# KiCad board Kanagawa_rgb.kicad_pcb (continued)
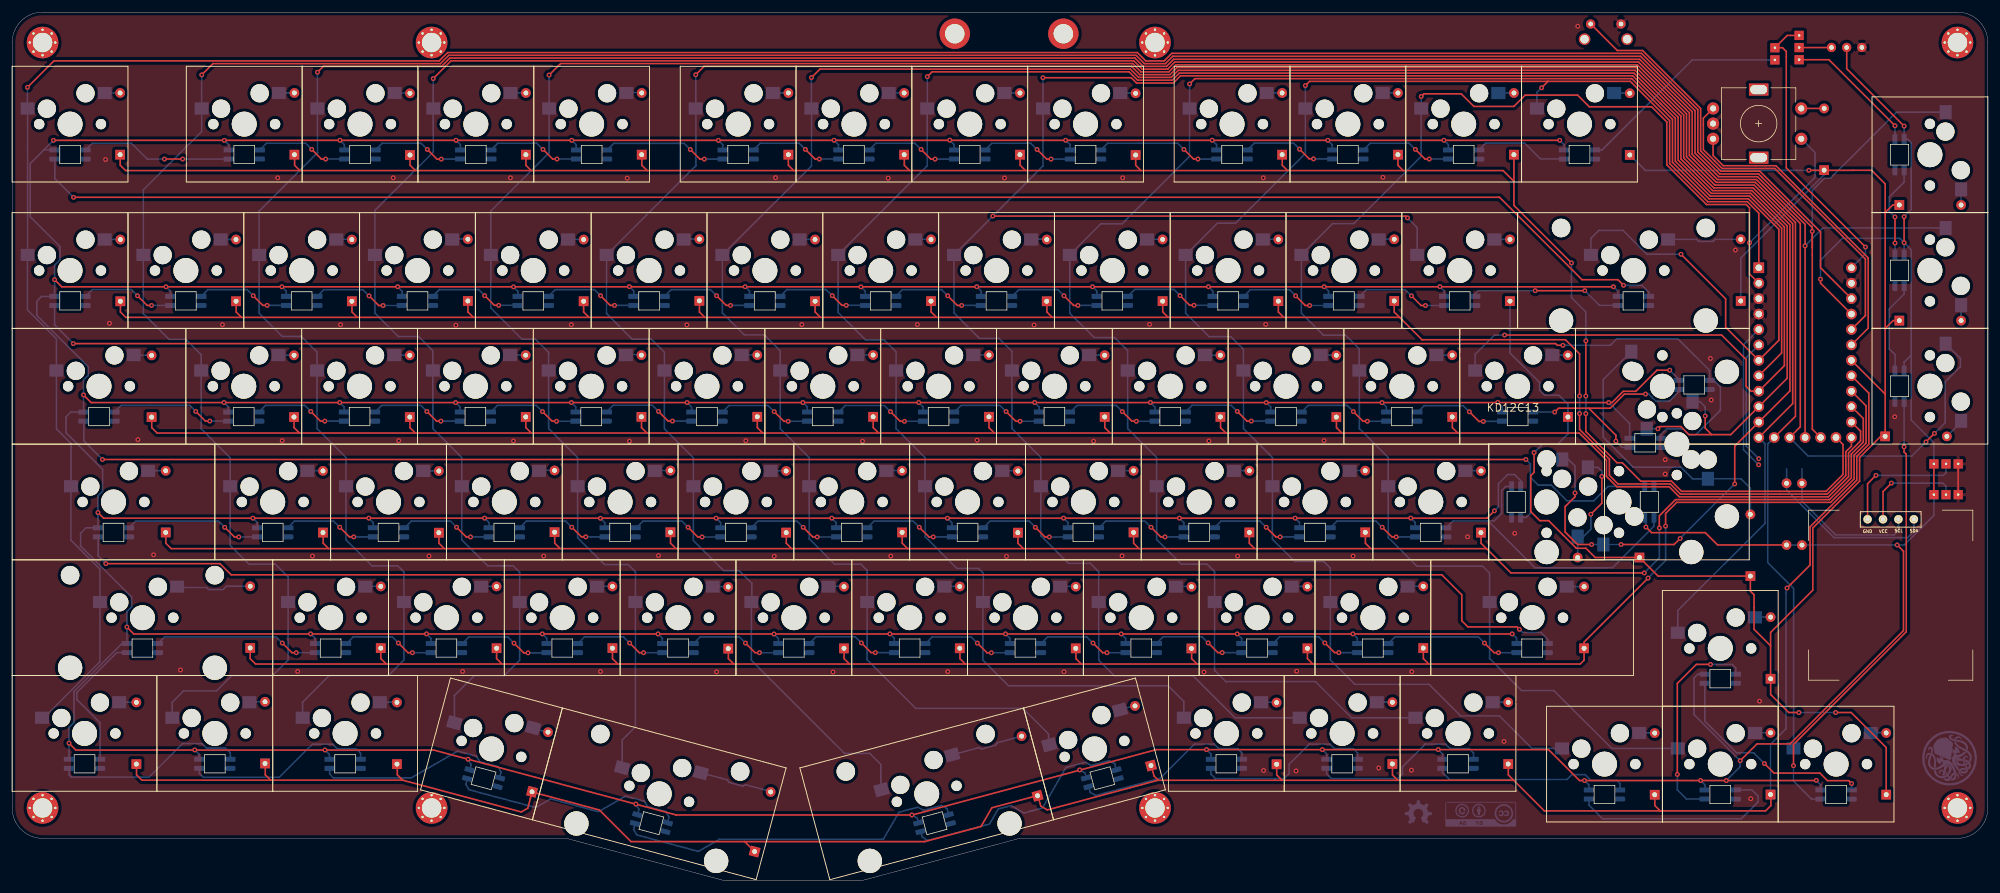
[diagram p0: board, top side]
## Routing (per net, layer and track width the routed paths; a pad name or vN(x,y) marks a point on that pad's centre or on a via; arc(x,y) is an arc through that point) (continued)
col05: length 437.3
  Top w0.254: v1(264.67,55.37) 273.39,55.37 v1(274.38,56.36) ; 287.32,75.52 283.36,71.56 v1(283.36,65.34) ; v1(259.82,55.37) 257.52,55.37 255.45,57.44 255.45,61.59 257.09,63.23 v1(257.09,63.86) ; U0.11 292.44,80.64 292.44,108.01 286.37,114.08 279.91,114.08 274.97,119.02 274.97,126.07 267.16,133.88 191.62,133.88 190.46,132.71 185.5,132.71 184.13,134.08 113.83,134.08 v1(112.45,132.7)
  Bottom w0.254: 112.47,127.15 112.47,117.73 97.79,103.05 ; v1(259.82,55.37) 261.76,55.37 ; 121.67,46.25 121.67,48.99 119.58,51.08 117.02,51.08 112.06,56.04 112.06,69.65 107.3,74.41 KC5.1 ; KB5.1 97.78,93.39 102.01,89.15 105.16,89.15 107.3,87.01 107.3,84.01 ; 142.88,15.46 142.88,19.18 141.08,20.98 136.92,20.98 121.6,36.3 121.6,45.9 ; v1(257.09,63.86) 257.09,68.3 256.02,69.37 KD12C13.1 ; v1(274.38,56.36) v1(283.36,65.34) ; KD12C13.1 v1(264.67,55.37) ; v1(112.45,132.7) 112.45,127.15
col06: length 389.5
  Top w0.254: 279.57,73.46 275.82,73.46 274.5,74.78 271.08,74.78 v1(270.72,74.42) ; 279.57,73.46 282.71,73.46 287.32,78.07 ; 279.57,73.46 278.51,74.52 v1(278.51,76.52) ; v1(131.48,132.23) 132.88,133.63 183.95,133.63 185.31,132.26 190.65,132.26 191.81,133.42 266.97,133.42 274.51,125.89 274.51,118.83 279.71,113.63 286.18,113.63 291.99,107.82 291.99,82.73 U0.10
  Bottom w0.254: 170.48,22.86 170.48,24.19 166.27,28.4 148.63,28.4 140.64,36.39 KE6.1 140.64,51.12 139.64,52.12 135.29,52.12 131.11,56.3 KD6.1 ; 131.12,64.94 131.12,69.67 126.35,74.44 KC6.1 ; KB6.1 116.83,93.47 120.44,89.86 123.72,89.86 126.35,87.24 126.35,84 ; 131.5,127.12 131.5,117.7 116.84,103.05 ; v1(131.48,132.23) 131.48,127.13 ; KD12C13.7 277.65,78.88 278.51,78.02 v1(278.51,76.52) ; KD12C13.7 v1(270.72,74.42)
col07: length 397.3
  Top w0.254: 191.98,132.95 190.83,131.8 185.13,131.8 183.76,133.17 151.33,133.17 v1(150.54,132.38) ; 192,132.97 266.79,132.97 274.05,125.7 274.05,118.64 279.52,113.17 285.99,113.17 291.53,107.63 291.53,84.81 U0.9 286.05,80.6 285.23,81.42 285.23,85.82 281.2,89.85 256.64,89.85 256.64,89.85 v1(245.51,89.85)
  Bottom w0.254: 135.86,103.05 150.53,117.71 KA7.1 ; 150.21,65.16 150.21,56.61 155.39,51.43 158.95,51.43 159.76,50.62 159.76,46.06 ; v1(245.51,89.85) 243.84,89.85 240.65,86.66 KC12.1 ; 135.88,103.05 135.88,93.56 140.39,89.05 143.43,89.05 145.4,87.08 145.4,84 ; v1(150.54,132.38) 150.54,127.15 ; KC7.1 145.4,74.43 150.16,69.67 150.16,64.92 ; 192.74,26.83 192.74,29.53 190.16,32.11 163.91,32.11 159.69,36.33 KE7.1
col08: length 390.6
  Top w0.254: 287.31,83.13 291.08,86.9 291.08,107.44 285.8,112.72 279.32,112.72 273.59,118.45 273.59,125.52 271.16,127.95 271.16,127.95 266.6,132.51 192.18,132.51 191,131.33 184.96,131.33 184.08,132.21 v1(169.57,132.21) ; v1(229.53,109.13) 229.23,109.43 v1(161.32,109.43)
  Bottom w0.254: v1(169.57,132.21) 169.57,127.15 ; v1(229.53,109.13) 231.12,107.54 KB12.1 ; KD8.1 169.21,56.81 173.75,52.27 177.35,52.27 178.74,50.88 KE8.1 178.74,36.33 181.34,33.73 194.28,33.73 201.17,26.85 KF8.1 ; KA8.1 169.57,117.68 154.94,103.05 ; KC8.1 164.45,74.46 169.21,69.7 169.21,64.95 ; KB8.1 154.93,93.5 159.12,89.3 162.33,89.3 164.45,87.18 164.45,83.99
col09: length 334.6
  Top w0.254: 287.3,85.66 290.62,88.99 290.62,107.26 285.62,112.27 279.12,112.27 273.12,118.27 273.12,125.35 266.41,132.06 266.41,132.06 194.57,132.06 v1(193.69,131.18) ; U0.7 281.86,91.14 281.86,95.81 v1(274.52,103.15)
  Bottom w0.254: 183.5,83.99 183.5,87.29 181.36,89.43 178,89.43 173.98,93.45 KB9.1 173.98,103.06 179.08,108.16 182.59,108.16 193.68,119.25 KA9.1 ; 197.79,50.65 KE9.1 197.79,34.65 199.64,32.79 214.4,32.79 220.34,26.85 KF9.1 ; 197.79,50.65 197.79,50.9 196.57,52.12 192.33,52.12 188.26,56.19 KD9.1 ; 197.79,50.65 197.79,50.77 ; KB13.1 259.7,105.75 261.04,107.08 264.97,107.08 268.91,103.15 v1(274.52,103.15) ; 188.26,64.96 188.26,69.69 183.5,74.45 KC9.1 ; v1(193.69,131.18) 193.69,127.16
col10: length 265.5
  Top w0.254: U0.1 287.32,109.92 285.44,111.8 278.92,111.8 272.65,118.07 272.65,125.15 266.19,131.61 252.64,131.61 ; v1(251.59,130.55) 252.64,131.61 252.64,131.61 ; 252.64,131.61 213.43,131.61 v1(212.73,130.91)
  Bottom w0.254: v1(212.73,130.91) 212.73,127.14 ; 193.04,103.05 198.25,108.25 201.24,108.25 212.73,119.73 KA10.1 ; KA12.1 250.82,129.79 v1(251.59,130.55) ; KB10.1 193.03,93.45 196.9,89.58 200.46,89.58 202.55,87.49 202.55,83.99 ; KC10.1 202.55,74.45 207.32,69.68 207.32,64.96 ; KF10.1 250.01,21.8 244.65,27.15 238.28,27.15 233.07,32.36 220.87,32.36 216.84,36.39 KE10.1 216.84,51.49 215.75,52.58 210.97,52.58 207.31,56.24 KD10.1
col11: length 264.7
  Top w0.254: v1(231.79,129.12) 232.23,129.56 238.37,129.56 240.45,127.48 247.03,127.48 248.89,129.34 257.52,129.34 259.43,127.43 269.69,127.43 272.19,124.93 272.19,117.87 278.72,111.34 285.24,111.34 285.79,110.79 v1(285.79,105.03) 285.79,99.91 U0.2
  Bottom w0.254: 221.61,84.35 221.61,74.44 226.36,69.69 226.36,64.93 ; v1(231.79,129.12) 231.79,127.15 ; KA11.1 231.78,119.28 220.68,108.18 217.2,108.18 212.06,103.05 ; 221.6,84 221.6,87.57 219.35,89.81 215.71,89.81 212.07,93.45 KB11.1 ; SW99.S1 296.57,119.88 296.57,115.81 v1(285.79,105.03) ; KD11.1 226.36,56.52 231.09,51.79 241.91,51.79 243.03,50.67 KE11.1 243.03,36.6 248.3,31.33 253.61,31.33 263.14,21.8 KF11.1
ENCA: length 54.1
  Top w0.254: 279.81,127.16 278.2,125.55 278.2,120.36 281.29,117.27 289.95,117.27 304.86,102.36 304.86,93.06 U0.20
ENCB: length 50.7
  Top w0.254: 279.8,122.15 279.8,119.4 281.48,117.72 290.14,117.72 305.31,102.55 305.31,90.98 U0.19
OledPin1: length 21
  Top w0.254: J1.1 305.21,65.37 v1(306.59,66.75)
  Bottom w0.254: 306.6,66.75 317.69,66.75 318.12,67.18 318.12,68.64
OledPin2: length 17.2
  Top w0.254: v1(309.14,65.47) 307.75,64.08 J1.2
  Bottom w0.254: 318.12,63.57 318.12,64.93 317.58,65.47 309,65.47
RESET: length 69.2
  Top w0.254: U0.22 297.48,100.92 297.48,106.83 287.49,116.82 281.1,116.82 277.75,120.17 277.75,127.14 268.2,136.69 264.04,136.69 259.68,141.05
RGB_In: length 48.9
  Top w0.254: v1(304.87,104.34) 291.84,117.37 291.84,136.53 291.22,137.15 289.97,137.15 ; J7.2 292,139.17 J6.1
  Bottom w0.254: v1(304.87,104.34) 304.87,103.23 U0.24
RGB_Matrix: length 35.7
  Bottom w0.254: KA12.6 261.55,120.32 276.37,135.14 J7.1
RGB_Out: length 22.5
  Top w0.254: J6.3 298.86,135.17 v1(309.73,124.3)
  Bottom w0.254: v1(309.73,124.3) 309.72,124.29 KD13.4
RGB_Pin: length 5.3
  Top w0.254: J6.2 299.29,137.17
row00: length 366.5
  Top w0.254: 65.46,119.54 65.46,117.79 66.33,116.92 ; v1(258.87,76.91) 258.87,73.96 264,68.83 264.87,68.83 267.92,65.78 272.96,65.78 274.62,64.12 298.39,64.12 301.18,66.91 301.18,71.82 U0.29 ; 184.82,119.54 184.82,117.79 185.69,116.92 ; 228.83,116.92 18.66,116.92 17.78,117.8 17.78,119.55 ; 228.83,116.92 245.26,116.92 247.04,115.14 ; 228.83,116.92 227.96,117.79 DA10.1 ; 208.93,119.54 208.93,117.79 209.8,116.92 ; v1(258.87,88.9) v1(258.87,79.8) ; DA5.1 127.69,117.79 128.56,116.92 ; 104.45,116.92 103.58,117.79 103.58,119.54 ; 247.04,115.14 247.04,111.19 v1(256.51,101.72) ; 247.04,115.14 DA11.1 ; 166.68,116.93 165.81,117.8 165.81,119.55 ; 147.63,116.92 146.76,117.79 146.76,119.54 ; DA3.1 84.51,117.79 85.38,116.92 ; 46.46,119.54 46.46,117.79 47.33,116.92
  Bottom w0.254: v1(256.51,101.72) 256.51,96.01 258.87,93.65 v1(258.87,88.9) ; v1(258.87,76.91) v1(258.87,79.8)
row01: length 347.8
  Top w0.254: 37.73,92.76 36.85,93.64 36.85,95.39 ; 228.24,92.75 227.35,93.64 DB11.1 ; 228.24,92.75 228.23,92.76 18.69,92.76 17.81,93.64 17.81,95.39 ; 228.24,92.75 231.91,89.08 255.51,89.08 257.84,86.75 v1(257.84,79.81) ; 113.94,92.76 113.06,93.64 113.06,95.39 ; 55.9,95.39 55.9,93.64 56.78,92.76 ; 209.17,92.76 208.29,93.64 208.29,95.39 ; 132.97,92.76 132.09,93.64 132.09,95.39 ; 171.09,92.76 170.21,93.64 170.21,95.39 ; 189.27,95.4 189.27,93.65 190.15,92.77 ; 94.88,92.77 94,93.65 94,95.4 ; U0.13 302.56,71.56 301.63,70.63 301.63,66.72 298.58,63.67 274.43,63.67 272.77,65.33 264.16,65.33 262.75,66.74 262.75,69.4 257.84,74.31 v1(257.84,76.92) ; 152.05,92.77 151.17,93.65 151.17,95.4 ; 74.97,95.4 74.97,93.65 75.85,92.77
  Bottom w0.254: v1(257.84,76.92) v1(257.84,79.81)
row02: length 331.9
  Top w0.254: 85.38,73.73 84.5,74.61 84.5,76.36 ; 198.78,76.35 198.78,74.6 199.66,73.72 ; 123.46,73.73 122.58,74.61 122.58,76.36 ; 22.96,76.35 22.96,74.6 23.84,73.72 257.79,73.72 262.26,69.25 262.26,66.59 263.98,64.87 272.59,64.87 274.25,63.21 298.77,63.21 302.09,66.53 302.09,70.45 304.06,72.42 304.06,74.02 U0.14 ; 236.91,76.35 236.91,74.6 237.79,73.72 ; 141.64,76.36 141.64,74.61 142.52,73.73 ; 160.69,76.35 160.69,74.6 161.57,73.72 ; 104.41,73.72 103.53,74.6 103.53,76.35 ; 217.85,76.35 217.85,74.6 218.73,73.72 ; 180.62,73.72 179.74,74.6 179.74,76.35 ; 66.32,73.72 65.44,74.6 65.44,76.35 ; 46.37,76.35 46.37,74.6 47.25,73.72
row03: length 337.8
  Top w0.254: U0.15 304.51,76.11 304.51,72.23 302.54,70.26 302.54,66.35 298.95,62.76 273.63,62.76 270.96,60.09 v1(270.96,58.09) ; 128.22,54.69 127.34,55.57 127.34,57.32 ; 241.63,57.32 241.63,55.57 242.51,54.69 ; 165.45,57.33 165.45,55.58 166.33,54.7 ; 204.39,54.69 203.51,55.57 203.51,57.32 ; 108.3,57.33 108.3,55.58 109.18,54.7 ; 146.41,57.33 146.41,55.58 147.29,54.7 ; 70.21,57.32 70.21,55.57 71.09,54.69 ; 90.13,54.71 89.25,55.59 89.25,57.34 ; v1(268.48,50.69) 246.54,50.69 242.54,54.69 26.16,54.69 25.28,55.57 25.28,57.32 ; 185.36,54.69 184.48,55.57 184.48,57.32 ; 222.61,57.32 222.61,55.57 223.49,54.69 ; 51.16,57.33 51.16,55.58 52.04,54.7
  Bottom w0.254: v1(270.96,58.09) 270.96,53.17 268.49,50.7
row04: length 331.1
  Top w0.254: 79.69,38.33 79.69,36.58 80.57,35.7 ; v1(271.99,58.39) 271.99,60.48 273.82,62.31 299.14,62.31 302.99,66.16 302.99,70.07 304.97,72.04 304.97,78.19 U0.16 ; 99.63,35.69 98.75,36.57 98.75,38.32 ; 213.07,38.33 213.07,36.58 213.95,35.7 ; v1(269.11,49.84) 258.58,39.31 DE11.1 258.58,36.32 257.95,35.69 40.04,35.69 39.16,36.57 39.16,38.32 ; 155.91,38.32 155.91,36.57 156.79,35.69 ; 118.7,35.7 117.82,36.58 117.82,38.33 ; 137.74,35.69 136.86,36.57 136.86,38.32 ; 232.14,38.33 232.14,36.58 233.02,35.7 ; 61.53,35.7 60.65,36.58 60.65,38.33 ; 194.02,38.33 194.02,36.58 194.9,35.7 ; 174.99,38.33 174.99,36.58 175.87,35.7
  Bottom w0.254: v1(271.99,58.39) 271.99,52.72 v1(269.11,49.84)
row05: length 385.1
  Top w0.254: 120.5,6.46 101.8,6.46 96.6,11.66 ; 120.5,6.46 150.09,6.46 159.38,8.95 161.16,12.02 ; 120.5,6.46 DF4.1 ; v1(291.96,48.2) 295.76,52 295.76,58.28 303.45,65.97 303.45,69.88 305.42,71.86 305.42,80.28 U0.17 ; 227.94,16.55 227.06,17.43 227.06,19.18 ; 64.24,16.58 63.36,17.46 63.36,19.21 ; 208.9,16.55 208.02,17.43 208.02,19.18 ; 208.9,16.55 246.97,16.55 ; 208.9,16.55 188.54,16.55 187.84,17.25 187.39,18.94 ; 84.82,11.96 83.74,11.34 ; 85.21,13.42 85.53,14.62 ; 271.1,11.52 288.44,11.52 289.32,12.4 289.32,14.15 ; 271.1,11.52 270.22,12.4 270.22,14.15 ; 271.1,11.52 252.04,11.52 246.12,17.44 246.12,19.19 ; 84.82,11.96 85.27,13.65 ; 188.55,16.57 170.28,11.68 ; 64.23,16.57 83.76,11.34 ; 161.16,12.03 168.72,14.05 ; 41.64,19.2 41.64,17.45 42.52,16.57 ; 64.24,16.57 21.34,16.57 20.46,17.45 20.46,19.2 ; 168.75,13.99 169.2,12.3 170.28,11.68 ; 85.53,14.63 96.6,11.67
  Bottom w0.254: v1(291.96,48.2) 291.8,48.04 291.8,25.03 289.25,22.49 DF11.1
row06: length 304.1
  Top w0.254: 308.11,110.01 309.36,111.26 310.45,111.26 ; 308.11,110.01 308.11,114.73 305.87,116.97 302.79,116.97 ; 308.11,110.01 308.11,90.92 ; DE12.1 289.26,38.69 ; 289.26,38.69 286.54,41.41 286.54,47.09 285.94,47.69 DC13.1 270.75,50.17 267.68,53.24 ; 289.26,38.69 289.26,40.9 296.21,47.85 296.21,58.09 303.9,65.78 303.9,69.69 307.38,73.17 DF13.1 ; v1(295.56,116.96) 298.08,116.96 ; DF12.1 308.28,21.95 302.52,27.71 v1(299.97,27.71) ; 310.45,92.22 309.41,92.22 308.11,90.92 ; 308.11,90.92 308.11,73.18 ; U0.18 308.11,80.13 ; v1(250.36,70.5) 250.36,67.25 249.81,66.7 249.81,60.78 251.3,59.29 252.76,59.29 257.31,54.74 258.9,54.74 260.41,53.23 DD12.1 ; 289.27,33.27 289.27,30.68 292.24,27.71 v1(293.91,27.71) ; 302.79,116.96 298.79,116.96
  Bottom w0.254: v1(295.56,116.96) 268.64,116.96 266.1,119.5 ; 298.07,117 298.07,116.24 284.35,102.52 DB13.1 ; DB12.1 246.39,86.91 251.26,82.04 251.26,80.77 252.09,79.94 254.45,79.94 255.92,78.47 DC12.1 255.92,73.56 254.28,71.92 251.78,71.92 v1(250.36,70.5) ; v1(293.91,27.71) v1(299.97,27.71)
SCL: length 46.1
  Bottom w0.254: v1(287.32,69.49) 285.26,71.55 285.26,86.16 U0.6 ; 310.3,59.52 310.3,57.67 309.58,56.95 299.97,56.95 294.42,62.5 R2.1 294.42,67.83
SDA: length 54.5
  Bottom w0.254: U0.5 284.8,88.25 284.8,70.98 287.29,68.49 v1(287.3,68.49) ; 291.89,67.84 R1.1 291.89,64.32 299.71,56.5 311.81,56.5 312.83,57.52 J1.4
Net-(DA0-Pad2): length 3
  Bottom w0.254: 14.81,129.69 17.8,129.69
Net-(DA1-Pad2): length 3
  Bottom w0.254: 43.96,129.71 46.95,129.71
Net-(DA2-Pad2): length 3
  Bottom w0.254: 63.01,129.68 66,129.68
Net-(DA3-Pad2): length 3
  Bottom w0.254: 82.01,129.71 85,129.71
Net-(DA4-Pad2): length 3
  Bottom w0.254: 101.04,129.77 104.03,129.77
Net-(DA5-Pad2): length 3
  Bottom w0.254: 124.85,129.7 127.84,129.7
Net-(DA6-Pad2): length 3
  Bottom w0.254: 143.86,129.72 146.85,129.72
Net-(DA7-Pad2): length 3
  Bottom w0.254: 162.91,129.72 165.9,129.72
Net-(DA8-Pad2): length 3
  Bottom w0.254: 182.06,129.66 185.05,129.66
Net-(DA9-Pad2): length 3
  Bottom w0.254: 205.84,129.7 208.83,129.7
Net-(DA10-Pad2): length 3
  Bottom w0.254: 224.74,129.72 227.73,129.72
Net-(DA11-Pad2): length 3
  Bottom w0.254: 243.92,129.72 246.91,129.72
Net-(DA12-Pad2): length 3
  Bottom w0.254: 263,129.66 265.99,129.66
Net-(DB0-Pad2): length 2.6
  Bottom w0.254: KB0.2 17.78,105.59
Net-(DB1-Pad2): length 3
  Bottom w0.254: 34.1,105.58 37.09,105.58
Net-(DB2-Pad2): length 3
  Bottom w0.254: 53.24,105.61 56.23,105.61
Net-(DB3-Pad2): length 3
  Bottom w0.254: 72.27,105.68 75.26,105.68
Net-(DB4-Pad2): length 3
  Bottom w0.254: 91.31,105.59 94.3,105.59
Net-(DB5-Pad2): length 3
  Bottom w0.254: 110.37,105.66 113.36,105.66
Net-(DB6-Pad2): length 3
  Bottom w0.254: 129.41,105.61 132.4,105.61
Net-(DB7-Pad2): length 3
  Bottom w0.254: 148.52,105.61 151.51,105.61
Net-(DB8-Pad2): length 3
  Bottom w0.254: 167.49,105.63 170.48,105.63
Net-(DB9-Pad2): length 3
  Bottom w0.254: 186.6,105.61 189.59,105.61
Net-(DB10-Pad2): length 3
  Bottom w0.254: 205.66,105.61 208.65,105.61
Net-(DB11-Pad2): length 3
  Bottom w0.254: 224.66,105.64 227.65,105.64
Net-(DB12-Pad2): length 3
  Bottom w0.254: 243.79,105.59 246.78,105.59
Net-(DB13-Pad2): length 12.1
  Bottom w0.254: 272.41,105.61 277.08,105.61 277.42,105.27 279.82,105.27 280.16,105.61 284.22,105.61
Net-(DC0-Pad2): length 3
  Bottom w0.254: 19.93,86.52 22.92,86.52
Net-(DC1-Pad2): length 3
  Bottom w0.254: 43.68,86.54 46.67,86.54
Net-(DC2-Pad2): length 3
  Bottom w0.254: 62.7,86.53 65.69,86.53
Net-(DC3-Pad2): length 3
  Bottom w0.254: 81.86,86.56 84.85,86.56
Net-(DC4-Pad2): length 3
  Bottom w0.254: 101.01,86.64 104,86.64
Net-(DC5-Pad2): length 3
  Bottom w0.254: 120.05,86.57 123.04,86.57
Net-(DC6-Pad2): length 3
  Bottom w0.254: 139.08,86.57 142.07,86.57
Net-(DC7-Pad2): length 3
  Bottom w0.254: 158,86.57 160.99,86.57
Net-(DC8-Pad2): length 3
  Bottom w0.254: 177.05,86.54 180.04,86.54
Net-(DC9-Pad2): length 3
  Bottom w0.254: 196.14,86.52 199.13,86.52
Net-(DC10-Pad2): length 3
  Bottom w0.254: 215.18,86.55 218.17,86.55
Net-(DC11-Pad2): length 3
  Bottom w0.254: 234.25,86.54 237.24,86.54
Net-(DC12-Pad2): length 3
  Bottom w0.254: 253.29,86.54 256.28,86.54
Net-(DC13-Pad2): length 48
  Bottom w0.254: 278.96,66.18 276.42,66.18 274.5,68.1 266.65,68.1 261.74,73.01 261.74,82.52 KD12C13.8 ; DC13.2 285.94,64.64 284.4,66.18 KD12C13.8
Net-(DD0-Pad2): length 3
  Bottom w0.254: 22.26,67.52 25.25,67.52
Net-(DD1-Pad2): length 3
  Bottom w0.254: 48.34,67.52 51.33,67.52
Net-(DD2-Pad2): length 3
  Bottom w0.254: 67.44,67.48 70.43,67.48
Net-(DD3-Pad2): length 3
  Bottom w0.254: 86.5,67.59 89.49,67.59
Net-(DD4-Pad2): length 3
  Bottom w0.254: 105.52,67.55 108.51,67.55
Net-(DD5-Pad2): length 3
  Bottom w0.254: 124.55,67.5 127.54,67.5
Net-(DD6-Pad2): length 3
  Bottom w0.254: 143.6,67.55 146.59,67.55
Net-(DD7-Pad2): length 3
  Bottom w0.254: 162.62,67.51 165.61,67.51
Net-(DD8-Pad2): length 3
  Bottom w0.254: 181.65,67.54 184.64,67.54
Net-(DD9-Pad2): length 3
  Bottom w0.254: 200.73,67.54 203.72,67.54
Net-(DD10-Pad2): length 3
  Bottom w0.254: 219.77,67.55 222.76,67.55
Net-(DD11-Pad2): length 3
  Bottom w0.254: 238.92,67.54 241.91,67.54
Net-(DD12-Pad2): length 19
  Top w0.254: v1(261.5,66.57) 261.5,62.16 v1(259.69,60.35)
  Bottom w0.254: DD12.2 257.53,56.67 ; v1(259.69,60.35) 259.69,57.88 258.48,56.67 KD12C13.2 ; 259.2,68.07 260.87,68.07 261.5,67.44 v1(261.5,66.57)
Net-(DD13-Pad2): length 2.6
  Bottom w0.254: 320.59,111.23 320.59,113.82
Net-(DE0-Pad2): length 12.2
  Bottom w0.254: DE0.2 35.26,48.5 34.71,47.95 32.31,47.95 31.97,48.29 ; 27.3,48.29 31.96,48.29
Net-(DE1-Pad2): length 3
  Bottom w0.254: 57.85,48.49 60.84,48.49
Net-(DE2-Pad2): length 3
  Bottom w0.254: 76.89,48.46 79.88,48.46
Net-(DE3-Pad2): length 3
  Bottom w0.254: 95.97,48.5 98.96,48.5
Net-(DE4-Pad2): length 3
  Bottom w0.254: 115.02,48.44 118.01,48.44
Net-(DE5-Pad2): length 3
  Bottom w0.254: 134.07,48.49 137.06,48.49
Net-(DE6-Pad2): length 3
  Bottom w0.254: 153.11,48.48 156.1,48.48
Net-(DE7-Pad2): length 3
  Bottom w0.254: 172.17,48.46 175.16,48.46
Net-(DE8-Pad2): length 3
  Bottom w0.254: 191.22,48.46 194.21,48.46
Net-(DE9-Pad2): length 3
  Bottom w0.254: 210.36,48.47 213.35,48.47
Net-(DE10-Pad2): length 3
  Bottom w0.254: 229.25,48.5 232.24,48.5
Net-(DE11-Pad2): length 2.9
  Bottom w0.254: KE11.2 258.59,48.44
Net-(DE12-Pad2): length 3
  Bottom w0.254: 286.5,43.44 289.49,43.44
Net-(DE13-Pad2): length 2.6
  Bottom w0.254: 320.6,92.2 320.6,94.81
Net-(DF0-Pad2): length 3
  Bottom w0.254: 17.46,29.4 20.45,29.4
Net-(DF1-Pad2): length 3
  Bottom w0.254: 38.86,29.48 41.85,29.48
Net-(DF2-Pad2): length 3
  Bottom w0.254: 60.32,29.41 63.31,29.41
Net-(DF3-Pad2): length 3
  Bottom w0.254: 85.47,25.14 88.36,24.37
Net-(DF4-Pad2): length 12.1
  Bottom w0.254: 120.64,15.82 124.56,14.77 ; 117.66,16.62 117.9,16.2 120.22,15.58 120.64,15.82 ; 113.15,17.83 117.65,16.62
Net-(DF5-Pad2): length 12.1
  Bottom w0.254: 154.55,20.73 159.05,21.94 ; 159.06,21.94 159.48,21.7 161.8,22.32 162.04,22.74 165.96,23.79
Net-(DF6-Pad2): length 3
  Bottom w0.254: 182.15,28.18 185.04,28.95
Net-(DF7-Pad2): length 2.6
  Bottom w0.254: KF7.2 208,29.39
Net-(DF8-Pad2): length 3
  Bottom w0.254: 224.29,29.42 227.28,29.42
Net-(DF9-Pad2): length 3
  Bottom w0.254: 243.33,29.42 246.32,29.42
Net-(DF10-Pad2): length 3
  Bottom w0.254: 267.43,24.35 270.42,24.35
Net-(DF11-Pad2): length 3
  Bottom w0.254: 286.51,24.37 289.5,24.37
Net-(DF12-Pad2): length 3
  Bottom w0.254: 305.51,24.39 308.5,24.39
Net-(DF13-Pad2): length 3.5
  Bottom w0.254: KF13.2 320.59,75.5 DF13.2

## Copper pours and planes (outline as drawn; the poured copper is in the pictures)
GND on Top: 327,-3 -2,-3 -2,145 327,145
GND on Bottom: 327,-3 -2,-3 -2,145 327,145

## Text on the board
B.Silkscreen: VCC | GND | Kanagawa by Ciaanh - rev1
